# Allegro board RK3588S_Template_LP4XD200P232SD8H2_31X31_2133MHz_H1R6_V11_20220218YWQ.brd (continued)
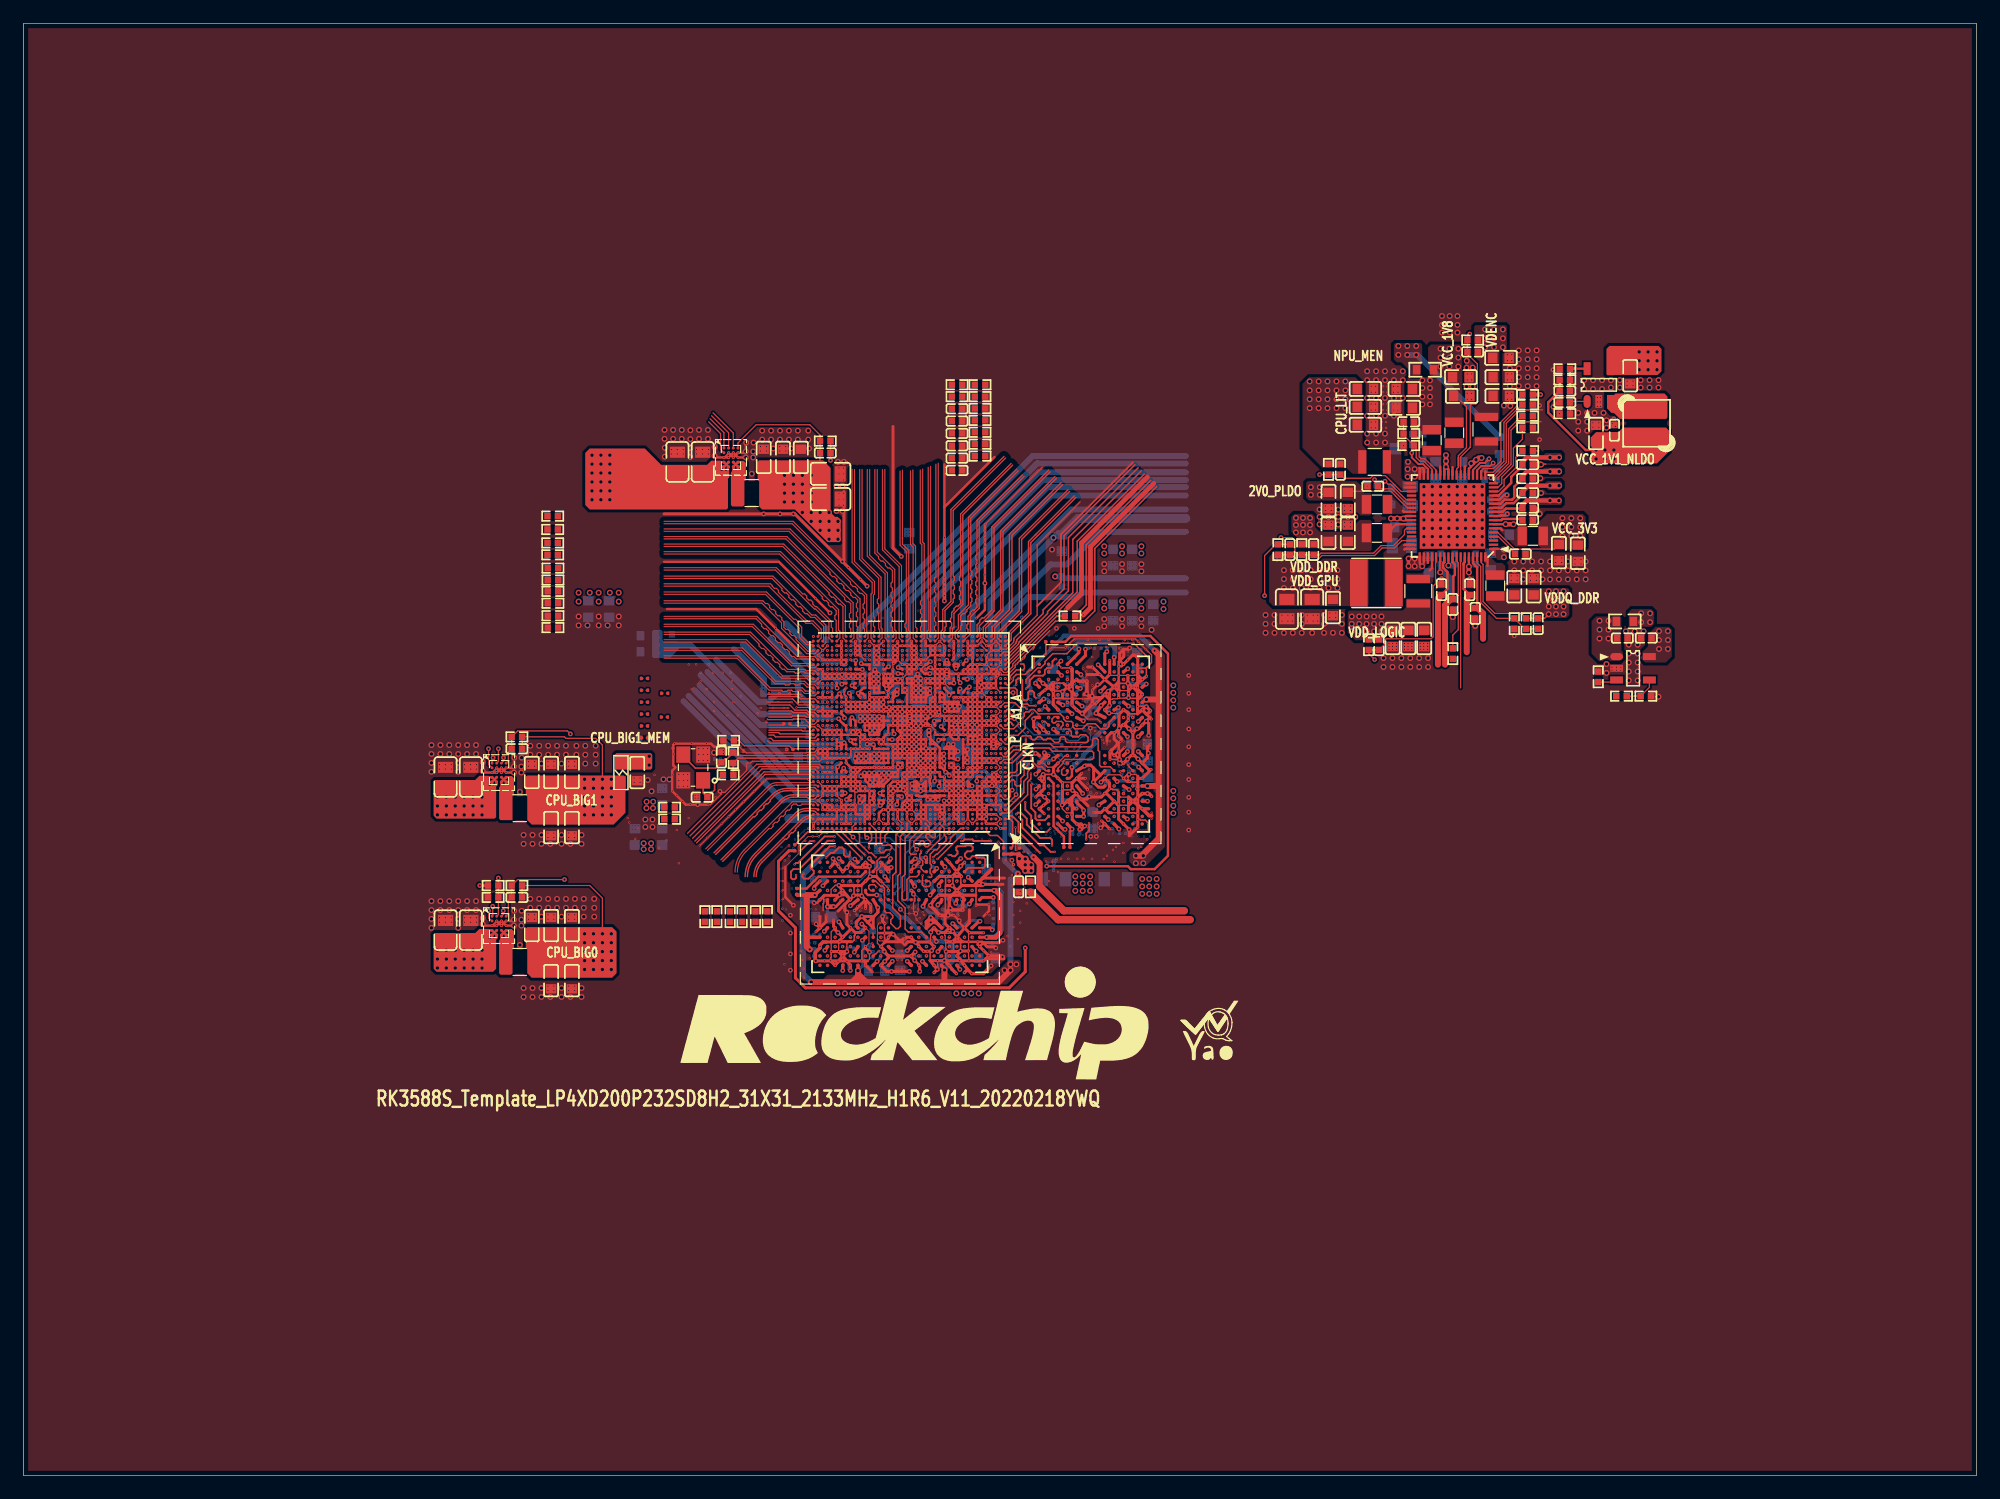
[diagram p0: board, top side]
## Routing (per net, layer and track width the routed paths; a pad name or vN(x,y) marks a point on that pad's centre or on a via; arc(x,y) is an arc through that point) (continued)
VDDA_0V85_S0: length 61.2
  TOP w0.102: U1000.AT18 U1000.AR19
  TOP w0.203: U1000.AT18 77.12,69.33 77.22,69.33 77.44,69.55 v1(77.49,69.55) ; v1(77.45,68.53) 77.44,68.51 77.11,68.51 U1000.AP18 76.99,68.5 76.69,68.8 U1000.AR19 ; U2200.10 125.61,82.35 126.39,82.35 126.67,82.63 128.03,82.63 C2263.1 ; U1000.H36 69.99,58.1 v1(70.21,58.32) 70.02,58.5 U1000.J36
  TOP w0.381: C2263.1 128.07,82.93 128.45,83.31 v5(130.43,83.31) v5(131.19,83.31)
  BOTTOM w0.305: 76.96,70.1 76.96,70.08 ; 76.96,70.08 v1(77.49,69.55) 77.29,69.55 ; 76.96,70.08 C1400.1 ; C1402.1 77.8,68.58 77.51,68.58 v1(77.45,68.53) 77.27,68.53 76.96,68.84 C1401.1 76.96,69.21 ; C1400.1 77.26,69.55 77.29,69.55 ; C1400.1 76.96,69.21 ; 77.29,69.55 76.96,69.21
  BOTTOM w0.381: v1(70.21,58.32) 70.15,58.26 C1801.1 C1800.1 68.61,58.26 68.58,58.29
  BOTTOM w0.508: 76.96,70.1 76.96,74.93 87.1,85.06 99.31,85.06 ; 57.33,67.11 66.15,58.29 66.92,58.29 68.58,58.29
VDDA_1V2_S0: length 12.1
  TOP w0.152: U2200.57 121.05,78.09 121.02,78.05 121.02,77.22 v5(121.05,77.18)
  L3-S1 w0.203: v2(70.69,68.9) 70.69,69.06 v3(70.51,69.24) 70.29,69.02 v2(70.29,68.9)
  L6-S2 w0.305: v3(70.51,69.24) v4(70.21,69.24)
  BOTTOM w0.254: v4(70.21,69.24) 70.08,69.24 69.85,69.47
  BOTTOM w0.305: 68.25,69.72 68.51,69.47 C1608.1 C1607.1 69.85,69.47
  BOTTOM w0.508: C2250.1 121.11,77.24 v5(121.05,77.18) 121.39,77.18 121.9,76.67 121.9,75.31 ; 68.25,69.72 65.16,72.82
VDDA_DDR_PLL_S0: length 45.3
  TOP w0.203: v1(78.41,64.01) 78.41,63.98 U1000.AB14 ; U1000.M16 77.89,59.38 v1(77.85,59.33) ; U2200.12 126.2,83.04 126.55,83.39 127.2,83.39 127.38,83.57 127.38,84.5 C2258.1
  TOP w0.381: C2258.1 128.07,85.41 128.45,85.79 v5(130.43,85.79) 130.5,85.79
  TOP w0.508: 130.5,85.79 v5(131.21,85.79) ; 86.82,50.34 86.82,52.32 86.32,52.83 v1(86.3,52.83)
  TOP w0.635: 99.19,48.26 88.9,48.26 86.82,50.34
  L6-S2 w0.152: 78.49,60.37 78.6,60.47 78.85,60.47 78.88,60.51
  L6-S2 w0.203: 78.49,60.37 77.95,59.83 77.95,59.44 v1(77.85,59.33) ; 78.88,60.51 79.06,60.69 79.06,61.82 78.81,62.07 78.26,62.07 77.77,62.56 77.77,63.78 78,64.01 v1(78.41,64.01)
  BOTTOM w0.254: v1(77.85,59.33) 77.9,59.38 80.16,59.38 80.24,59.46
  BOTTOM w0.279: C1215.1 78.61,64.21 v1(78.41,64.01)
  BOTTOM w0.305: v1(77.85,59.33) 77.77,59.26 C1210.1 ; 80.24,59.46 80.97,60.19 82.15,60.19 83.26,59.08
  BOTTOM w0.406: 83.26,59.08 83.26,57.71 84.35,56.62 84.35,54.78 v1(86.3,52.83)
VDDQ_DDR: length 37.7
  TOP w0.254: U3800.W1 v1(86.5,57.33) ; v1(88.79,55.93) U3800.AA3 ; U3800.AA5 v1(90.58,56.32) v1(90.58,56.84) 90.58,56.92 89.99,57.51 U3800.W5 ; U3801.W1 v1(69.68,52.72) ; U3801.AA3 v1(68.31,50.4) ; v1(69.21,48.61) 69.41,48.61 U3801.W5 ; U3801.AA5 v1(68.7,48.61) ; U3801.D1 v1(80.08,52.72) ; U3800.B3 v1(88.69,68.37) ; U3801.B3 v1(80.73,51.12) ; U3800.D1 v1(86.47,67.7)
  TOP w0.279: U3800.W8 91.9,57.34 v1(91.89,57.3) ; U3801.AA8 v1(68.43,46.5) ; U3800.AA8 v1(92.69,56.05) ; U3800.B8 v1(91.83,69.27) ; U3800.D12 v1(95.94,67.63) ; U3800.D8 v1(92.03,67.02) ; U3800.U10 v1(94.47,58.61) ; U3801.F10 v1(78.13,44.77) ; U3801.F3 78.21,50.51 v1(78.22,50.39) ; U3801.D8 v1(79.4,47.16) ; v1(90.35,68.44) U3800.B5 ; v1(80.82,48.84) U3801.B5 ; U3801.B10 81.32,44.84 v1(81.41,44.82) ; U3801.D5 v1(79.65,48.89) ; U3800.F10 v1(94.42,65.75) ; v1(90.3,67.25) 90.29,67.28 U3800.D5 ; U3801.D12 v1(80.01,43.25) ; U3801.W8 69.72,47.29 v1(69.68,47.3) ; U3801.B8 81.65,47.37 v1(81.73,47.37) ; U3801.W12 v1(70,43.15) ; U3800.B10 v1(94.35,68.94) ; U3800.AA10 v1(94.32,56.1) ; U3801.AA10 v1(68.48,44.88) ; U3801.U10 v1(70.99,44.72) ; U3800.W12 v1(96.04,57.62)
  TOP w0.305: U3800.F3 v1(88.81,65.84)
  TOP w0.406: v1(69.21,48.61) v1(68.7,48.61)
  L3-S1 w0.203: v3(88.12,59.11) 88.21,59.11 v2(88.39,58.92) ; v2(71.3,50.8) 71.46,50.96 v3(71.46,51.07)
  L6-S2 w0.254: v4(87.71,58.66) 87.71,58.77 v4(87.85,58.91) 88.04,59.11 v3(88.12,59.11) ; v4(71.04,51.48) 71.15,51.48 v4(71.29,51.35) 71.46,51.17 v3(71.46,51.07)
  BOTTOM w0.254: v1(90.35,68.44) 90.35,68.34 90.53,68.17 90.53,67.5 90.3,67.28 v1(90.3,67.25) 90.28,67.25 89.9,66.87 89.9,66.49 89.24,65.83 88.82,65.83 v1(88.81,65.84) ; v1(86.47,67.7) 86.47,67.78 86.67,67.99 ; 95.03,68.8 95.28,68.55 C3817.1 95.88,67.7 v1(95.94,67.63) ; v1(78.22,50.39) 78.21,50.38 78.21,49.95 78.87,49.3 79.25,49.3 v1(79.65,48.89) 79.88,48.66 80.55,48.66 80.72,48.84 v1(80.82,48.84) ; v1(94.42,65.75) 94.47,65.7 94.8,65.7 ; v1(79.4,47.16) 79.52,47.16 79.81,46.88 80.25,46.88 80.78,47.42 81.51,47.42 81.56,47.37 v1(81.73,47.37) ; v1(68.7,48.61) 68.7,48.09 69.13,47.67 69.39,47.67 69.68,47.39 v1(69.68,47.3)
  vias: v5(69.55,41.2) v5(70.19,41.2) v5(70.82,41.2) v5(71.46,41.2) v5(79.71,41.2) v5(80.35,41.2) v5(80.98,41.2) v5(81.62,41.2) v5(89.87,51.2) v5(89.87,50.6) v5(89.87,49.96) v5(90.51,51.2) v5(90.51,50.6) v5(90.51,49.96) v5(91.14,51.2) v5(91.14,50.6) v5(91.14,49.96) v5(98.25,67.52) v5(98.25,66.88) v5(98.25,66.25) v5(98.25,65.61) v5(98.25,58.5) v5(98.25,57.87) v5(98.25,57.23) v5(98.25,56.6)
VDDQ_DDR_CK_S0: length 12.7
  TOP w0.203: U1000.H24 74.85,58.1 74.94,58.01 v1(75.03,58.01) ; 80.69,59.29 v1(81.05,58.93) 81.02,58.9 U1000.K9 80.69,59.29 ; 80.69,59.29 U1000.L9
  BOTTOM w0.254: v1(81.05,58.93) 80.95,58.93 80.18,58.16 C1216.1 80.08,58.01 80.08,57.21 78.82,55.96 78.45,55.96 77.41,54.92 76.15,54.92 R3821.2 75.06,56.02 75.06,57.18 75.08,57.2 75.08,57.96 v1(75.03,58.01)
  BOTTOM w0.305: v1(75.03,58.01) 74.88,57.86 C1213.1
VDDQ_DDR_CKE_S3: length 14.4
  TOP w0.203: v1(81.46,59.33) 81.46,59.67 U1000.M7 U1000.M6 ; U1000.G24 74.69,57.42 v1(74.63,57.35)
  BOTTOM w0.254: v1(74.63,57.35) 74.49,57.35 C1212.1 74.37,57.18 74.37,56.06 74.97,55.46 74.97,55.06 75.46,54.57 77.56,54.57 78.6,55.6 78.97,55.6 79.52,56.15 R3820.2 80.06,56.69 80.85,57.48 81.58,57.48 81.84,57.73 81.84,58.12 C1211.1 81.48,58.47 81.48,59.31 v1(81.46,59.33)
VDDQ_DDR_S0: length 107
  TOP w0.102: v1(78.16,57.76) 78.29,57.9 U1000.H15 ; U2200.67 124.55,78.01 124.71,77.85 124.71,74.68 125.72,73.67 127.97,73.67 R2236.1 C2229.1 129.96,73.24 v5(130.32,73.6)
  TOP w0.203: 80.63,61.99 80.63,61.36 v1(80.64,61.34) ; 80.63,61.99 80.42,61.79 80.29,61.79 ; 80.63,61.99 v1(80.66,62.03) 80.62,62.08 80.34,62.08 80.32,62.1 U1000.V10 ; U1000.H20 76.44,58.1 76.5,58.04 77.03,58.04 U1000.H18 ; v1(80.64,61.34) v1(80.64,60.93) 80.63,60.93 80.6,60.91 80.52,60.91 80.51,60.9 U1000.R10 ; v1(80.64,61.34) 80.55,61.34 80.51,61.3 U1000.T10 ; U1000.H18 77.22,57.97 77.22,57.8 v1(77.27,57.76) v1(77.7,57.76) ; U1000.H18 U1000.H16 ; U1000.V10 80.29,61.79 ; U1000.V10 80.29,62.48 ; U1000.V10 80.29,62.48 ; 80.29,61.79 U1000.T10 ; v2(80.29,60.5) U1000.R10 ; U1000.R10 U1000.T10 ; 80.29,62.48 U1000.Y10 ; 80.29,62.48 U1000.W10 ; v1(77.7,57.76) 77.7,57.91 U1000.H16 ; v1(77.7,57.76) 78.1,57.76 ; U1000.H16 77.89,57.96 78.1,57.76 ; U1000.H16 U1000.H15 ; R1200.2 89.02,71.24 89.52,71.74 96.28,71.74 97.79,70.23 97.79,52.96 96.65,51.82 94.61,51.82 94.36,52.07 v1(87.43,52.07) ; 78.1,57.76 v1(78.16,57.76) 78.16,57.95 78.29,58.09 U1000.H15 ; U1000.H14 U1000.H15
  TOP w0.254: R1202.2 R1201.2 C1252.1 v5(85.09,52.71) ; v1(85.6,45.09) 85.6,43.05 84.22,41.68 66.81,41.68 65.96,42.52 65.96,46.82 64.52,48.26 64.52,52.49 65.41,53.39 R1203.2
  L2-GND1 w0.127: v1(80.64,60.93) 80.64,60.85 v2(80.29,60.5)
  L2-GND1 w0.305: v1(78.16,57.76) v1(77.7,57.76) v1(77.27,57.76) ; v1(80.64,61.34) v1(80.64,60.93)
  L3-S1 w0.254: v2(80.29,60.5) 80.64,60.5 v3(80.67,60.53)
  L3-S1 w0.305: v1(80.64,61.34) v1(80.64,60.93) 80.64,60.85 ; 80.64,60.85 80.64,60.55 v3(80.67,60.53) ; 80.64,60.85 v2(80.29,60.5) ; v1(78.16,57.76) v1(77.7,57.76) v1(77.27,57.76)
  L6-S2 w0.254: v4(80.95,60.83) 80.67,60.55 v3(80.67,60.53)
  L6-S2 w0.305: v1(77.27,57.76) v1(77.7,57.76) v1(78.16,57.76) ; v4(80.95,60.83) 80.95,61.75 v1(80.66,62.03) 80.64,62.01 v1(80.64,61.34) v1(80.64,60.93) 80.64,60.55 v3(80.67,60.53)
  L7-GND2 w0.305: v1(77.27,57.76) v1(77.7,57.76) v1(78.16,57.76) ; v1(80.64,61.34) v1(80.64,60.93) 80.75,60.83 v4(80.95,60.83)
  vias: v5(85.6,52.69) v5(85.59,52.19) v5(85.59,51.68) v5(86.1,52.19) v5(86.1,51.68) v5(130.32,75.56) v5(130.32,74.91) v5(130.32,74.26) v5(130.94,75.56) v5(130.94,74.91) v5(130.94,74.26) v5(130.94,73.6) v5(131.59,75.56) v5(131.59,74.91) v5(131.59,74.26) v5(131.59,73.6)
ALPS_INT_L: length 13.3
  TOP w0.102: U1000.N41 67.61,60.38 63.11,60.38 57.17,54.45
BIG/NPU_EN: length 19
  TOP w0.102: U2302.A2 60.25,89.1 58.8,90.55
  TOP w0.104: U2300.A2 40.58,47.93 R2303.1 R2302.2 v1(40.58,51.05) ; v1(40.58,62.1) 40.58,61.01 U2301.A2
  L6-S2 w0.102: v1(40.58,51.05) v1(40.58,62.1)
BQ_OTG_EN_H: length 17.9
  L3-S1 w0.076: v2(77.09,70.1) 77.59,70.6 77.59,71.86 77.15,72.3 77.15,72.8
  L3-S1 w0.102: 77.15,72.8 77.15,73.37 76.91,73.61 76.91,77.63 77.27,77.98 77.27,82.65 76.53,83.38 76.53,87.09
BT_REG_ON_H: length 13.5
  L3-S1 w0.076: v2(68.69,67.3) 68.69,67.27 68.35,66.93 67.15,66.93 66.84,67.23 66.76,67.23 66.22,67.78
  L3-S1 w0.102: 57.36,71.77 62.23,71.77 66.22,67.78
BT_WAKE_HOST_H: length 14
  L3-S1 w0.076: v2(69.09,65.7) 68.72,65.33 66.72,65.33 66.24,65.8
  L3-S1 w0.102: 66.24,65.8 66.16,65.88 66.1,65.88 61.64,70.35 57.36,70.35
CC_INT0_L: length 13.9
  L3-S1 w0.076: 66.21,69.23 66.7,68.74 66.7,68.73 67.22,68.2 68.9,68.2 69.31,67.79 69.31,67.61 69.09,67.39 v2(69.09,67.3)
  L3-S1 w0.102: 58.05,72.8 62.64,72.8 66.21,69.23
CHRG_OK_H: length 13
  L3-S1 w0.076: 66.21,68.66 66.97,67.9 68.49,67.9 v2(68.69,67.7)
  L3-S1 w0.102: 57.64,72.39 62.48,72.39 66.21,68.66
DDR_CH0_A0_A: length 9.4
  TOP w0.122: v2(85.66,62.97) 85.66,62.67 85.34,62.36 84.56,62.36 83.9,61.7 U1000.U1
  L3-S1 w0.064: v3(87.88,64.59) 87.75,64.73 v2(87.59,64.72) ; v3(85.38,63.09) 85.51,62.97 v2(85.66,62.97)
  L6-S2 w0.064: v3(85.38,63.09) 86.15,63.09 86.22,63.16 86.22,63.31 86.28,63.37 86.41,63.37 86.47,63.31 86.47,63.16 86.53,63.09 86.66,63.09 86.72,63.16 86.72,63.31 86.79,63.37 86.91,63.37 86.98,63.31 86.98,63.16 87.04,63.09 87.17,63.09 87.23,63.16 87.23,63.31 87.29,63.37 87.42,63.37 87.49,63.31 87.49,63.16 87.55,63.09 87.68,63.09 87.74,63.16 87.74,63.31 87.8,63.37 87.93,63.37 87.99,63.31 87.99,63.16 88.06,63.09 88.29,63.09 88.35,63.16 88.35,63.92 87.88,64.39 v3(87.88,64.59)
DDR_CH0_A0_B: length 9.4
  TOP w0.102: U1000.U2 83.78,61.41
  TOP w0.122: v2(86.11,61.56) 86.11,61.12 86.66,60.56 87.01,60.56 87.35,60.22 U3800.R2 ; 83.78,61.41 84.02,61.41 84.62,62.01 v2(85.08,62.01)
  L3-S1 w0.064: v2(85.08,62.01) 85.15,61.95 v3(85.4,61.95) ; v2(86.11,61.56) 86.11,61.4 v3(86.23,61.27)
  L6-S2 w0.064: v3(86.23,61.27) 86.04,61.27 85.76,60.99 85.45,60.99 85.22,61.22 85.22,61.34 84.96,61.59 84.01,61.59 83.95,61.66 83.95,61.88 84.01,61.95 v3(85.4,61.95)
DDR_CH0_A1_A: length 8.9
  TOP w0.102: 83.78,63.81 U1000.AC2
  TOP w0.122: v2(85.09,64.26) 85.06,64.26 84.61,63.81 83.78,63.81 ; v2(87.05,64.44) 87.05,64.44 87.28,64.44 U3800.J2
  L3-S1 w0.064: v2(87.05,64.44) 86.87,64.62 v3(86.82,64.62) ; v2(85.09,64.26) 85.29,64.26 85.36,64.33 v3(85.39,64.33)
  L6-S2 w0.064: v3(85.39,64.33) 85.36,64.33 85.29,64.26 84.52,64.26 84.45,64.2 84.45,63.88 84.84,63.5 85.03,63.5 85.09,63.56 85.09,63.82 85.15,63.88 85.28,63.88 85.35,63.82 85.35,63.56 85.41,63.5 85.54,63.5 85.6,63.56 85.6,63.82 85.66,63.88 85.79,63.88 85.85,63.82 85.85,63.56 85.92,63.5 86.04,63.5 86.11,63.56 86.11,63.87 86.82,64.58 v3(86.82,64.62)
DDR_CH0_A1_B: length 12.2
  TOP w0.102: U1000.R2 83.78,61.19
  TOP w0.122: v2(84.84,61.72) 84.3,61.19 83.78,61.19
  L3-S1 w0.064: v2(84.84,61.72) 85.09,61.72 85.18,61.64 85.55,61.64 85.64,61.73 85.83,61.73 85.89,61.66 85.89,61.47 85.9,61.46 85.9,61.14 86.07,60.96 86.8,60.96 86.82,60.94 86.82,60.94 86.88,60.88 87.22,60.88 87.37,61.04 87.37,61.13 87.26,61.24 87.26,61.36 87.33,61.43 87.42,61.43 87.53,61.32 87.62,61.32 87.71,61.41 87.71,61.5 87.6,61.61 87.6,61.7 87.71,61.8 87.83,61.8 87.89,61.74 87.89,61.65 87.95,61.59 88.08,61.59 88.14,61.65 88.14,61.72 88.02,61.84 88.02,61.93 88.09,62 88.85,62 88.86,62 89.17,62 89.26,61.92 89.26,61.57 89.2,61.51 89.11,61.51 89.05,61.58 89.05,61.66 88.98,61.72 88.88,61.72 88.81,61.66 88.81,61.62 88.75,61.55 88.62,61.55 88.56,61.62 88.56,61.66 88.5,61.72 88.4,61.72 88.34,61.66 88.34,61.34 88.4,61.28 88.54,61.28 88.6,61.21 88.6,61.1 88.54,61.03 88.27,61.03 88.14,60.9 v2(87.57,60.9)
DDR_CH0_A2_A: length 12.7
  TOP w0.122: U1000.AF1 84.05,65.46 84.16,65.46 84.26,65.36 84.26,65.13 84.37,65.02 84.52,65.02 84.63,65.13 84.63,65.28 84.76,65.4 84.96,65.4 85.14,65.23 85.14,64.85 85.22,64.76 85.4,64.76 85.52,64.89 85.52,65.13 85.64,65.25 85.92,65.25 86.12,65.45 86.32,65.45 86.69,65.09 88.58,65.09 88.88,64.79 88.88,64.65 89.09,64.44 89.54,64.44 89.66,64.32 89.66,63.98 89.83,63.81 90.48,63.81 90.91,64.24 91.59,64.24 92.02,63.81 92.55,63.81 92.75,64.01 92.75,64.33 U3800.H9
DDR_CH0_A2_B: length 13
  TOP w0.122: U3800.R9 92.85,60.56 92.07,60.56 91.95,60.68 91.95,61.85 91.83,61.97 91.83,62.87 91.7,62.99 91.46,62.99 91.34,62.87 91.34,62.39 91.22,62.27 88,62.27 87.72,62.55 86.15,62.55 84.49,60.9 U1000.R1
DDR_CH0_A3_A: length 12.6
  TOP w0.122: U1000.AL2 84.72,67.3 84.9,67.12 84.9,66.36 85.34,65.91 85.8,65.91 85.92,65.79 86.49,65.79 v2(86.49,65.79)
  L3-S1 w0.064: v2(94,64.77) 93.62,65.15 93.32,65.15 93,65.47 91.88,65.47 91.73,65.63 91.12,65.63 90.62,66.13 90.37,66.13 90.28,66.03 89.48,66.03 88.94,65.49 87.59,65.49 87.5,65.41 87.17,65.41 86.92,65.66 86.61,65.66 v2(86.49,65.79)
DDR_CH0_A3_B: length 13.3
  TOP w0.122: U3800.R10 93.81,60.22 v2(93.73,60.14) ; U1000.D2 83.6,56.61 84.25,56.61 85.8,58.17 85.8,59.26 86.08,59.54 v2(86.08,59.99)
  L3-S1 w0.064: v2(93.73,60.14) 93.67,60.08 93.36,60.08 93.06,59.78 88.65,59.78 88.19,60.24 86.37,60.24 86.12,59.99 v2(86.08,59.99)
DDR_CH0_A4_A: length 13.1
  TOP w0.122: U1000.Y1 83.9,62.9 84.24,63.25 84.96,63.25 85.6,63.88 85.6,64.52 86.23,65.14 v2(86.23,65.19)
  L3-S1 w0.064: v2(94.77,64.79) 94.44,64.46 93.84,64.46 93.49,64.8 91.28,64.8 90.64,65.44 90.14,65.44 89.92,65.66 89.41,65.66 89.03,65.28 87.68,65.28 87.59,65.19 v2(86.23,65.19)
DDR_CH0_A4_B: length 14.1
  TOP w0.122: v2(86.36,60.5) 86.16,60.5 85.8,60.15 85.8,59.64 85.47,59.31 85.47,58.37 84,56.9 U1000.E1 ; v2(94.36,60.71) 94.49,60.58 94.49,60.53 U3800.R11
  L3-S1 w0.064: v2(94.36,60.71) 94.22,60.84 93.78,60.84 92.95,60.01 88.73,60.01 88.28,60.45 86.41,60.45 v2(86.36,60.5)
DDR_CH0_A5_A: length 12.8
  TOP w0.102: U1000.AG2 83.83,66.04
  TOP w0.122: v2(85.72,65.49) 85.56,65.66 85.09,65.66 84.71,66.04 83.83,66.04
  L3-S1 w0.064: v2(94.79,64.12) 94.68,64.24 93.75,64.24 93.4,64.59 90.99,64.59 90.78,64.79 90.34,64.79 89.71,65.42 89.48,65.42 89.12,65.06 87.84,65.06 87.76,64.98 85.92,64.98 85.85,65.04 85.85,65.37 v2(85.72,65.49)
DDR_CH0_A5_B: length 13.3
  TOP w0.122: U1000.L1 83.94,59.3 84.45,59.82 84.96,59.82 85.22,60.07 85.22,60.51 v2(85.57,60.86)
  L3-S1 w0.064: v2(94.74,60.87) 94.74,60.85 94.61,60.72 94.61,60.63 93.84,59.86 93.45,59.86 93.15,59.56 86.42,59.56 86.21,59.77 85.99,59.77 85.52,60.25 85.52,60.8 v2(85.57,60.86)
DDR_CH0_CLKN_A: length 14.1
  L3-S1 w0.069: v2(83.89,63.3) 83.99,63.4 84.91,63.4 84.92,63.41 84.92,63.41 85.05,63.54 85.05,63.54 85.06,63.55 85.77,63.55 v2(85.81,63.51) 85.82,63.5 85.88,63.5 86.31,63.07 86.54,63.07 86.64,62.96 86.84,62.96 86.94,63.07 88.7,63.07 88.77,62.99 89.41,62.99 89.51,63.1 89.81,63.1 89.92,62.99 90.6,62.99 90.68,63.07 91.09,63.07 91.16,63 91.16,62.53 91.33,62.36 91.81,62.36 91.87,62.29 91.87,62.14 91.78,62.05 91.78,61.76 92,61.53 92.77,61.53 93.2,61.96 93.2,62.47 93.34,62.62 93.34,63.02 93.12,63.25 92.97,63.25 92.91,63.31 92.91,64.06 92.98,64.12 v2(93.19,64.12)
DDR_CH0_CLKN_B: length 10.7
  L3-S1 w0.069: v2(83.89,62.1) 83.81,62.18 83.81,62.27 83.96,62.42 84.07,62.42 84.13,62.36 84.46,62.36 84.51,62.42 89.89,62.42 91.82,60.49 92.66,60.49 92.84,60.66 92.84,60.76 92.94,60.87 93.14,60.87 v2(93.14,60.87)
DDR_CH0_CLKP_A: length 14.3
  L3-S1 w0.069: v2(92.39,64.12) 92.67,64.12 92.74,64.06 92.74,63.23 92.9,63.08 93.05,63.08 93.17,62.95 93.17,62.69 93.02,62.54 93.02,62.04 92.7,61.71 92.07,61.71 91.95,61.83 91.95,61.98 92.04,62.07 92.04,62.37 91.88,62.53 91.4,62.53 91.33,62.6 91.33,63.07 91.16,63.24 90.61,63.24 90.53,63.16 89.99,63.16 89.88,63.27 89.44,63.27 89.34,63.16 88.84,63.16 88.77,63.24 86.87,63.24 86.87,63.24 86.38,63.24 85.9,63.73 84.94,63.73 v2(84.84,63.63) 84.78,63.57 83.86,63.57 83.59,63.3 v2(83.49,63.3)
DDR_CH0_CLKP_B: length 10.6
  L3-S1 w0.069: v2(92.44,60.87) 92.57,60.87 92.64,60.8 92.64,60.71 92.59,60.66 91.89,60.66 89.96,62.59 84.44,62.59 84.38,62.53 84.2,62.53 84.15,62.59 83.88,62.59 83.64,62.34 83.64,62.22 v2(83.51,62.1)
DDR_CH0_DM0_A: length 12.5
  L3-S1 w0.079: v2(88.39,68.08) 88.41,68.05 88.79,68.05 89.31,67.53 90.13,67.53 90.25,67.66 90.37,67.66 90.68,67.35 90.68,67.1 90.4,66.82 89.43,66.82 89.03,67.23 89.03,67.32 88.63,67.72 87.99,67.72 87.77,67.5 87.57,67.5 87.51,67.44 87.51,67.26 87.43,67.19 87.25,67.19 87.08,67.36 86.67,67.36 86.29,66.98 86.29,66.42 85.22,65.35 85.22,64.98 85.07,64.83 84.96,64.83 84.8,64.99 84.53,64.99 84.38,64.83 84.27,64.83 84.11,64.99 83.98,64.99 v2(83.89,64.9)
DDR_CH0_DM0_B: length 12
  L3-S1 w0.079: v2(88.44,56.96) 88.44,56.82 88.19,56.57 87.57,56.57 86.99,57.15 v3(86.99,57.28) ; v2(82.29,62.1) v3(82.6,62.1)
  L6-S2 w0.079: v3(86.99,57.28) 86.72,57 84.77,57 83.35,58.42 82.79,58.42 82.34,58.87 82.34,60.82 82.26,60.89 81.98,60.89 81.78,61.1 81.78,61.46 82.42,62.1 v3(82.6,62.1)
DDR_CH0_DM1_A: length 15
  L3-S1 w0.079: v2(82.69,66.9) 83.02,67.22 83.13,67.22 83.34,67.44 84.02,67.44 85.24,68.65 85.24,68.98 87.53,71.28 90.9,71.28 91.31,70.87 v3(91.69,70.87) ; v2(94.02,68.05) v3(93.73,68.34)
  L6-S2 w0.079: v3(91.69,70.87) 91.82,70.74 91.82,70.13 93.61,68.34 v3(93.73,68.34)
DDR_CH0_DM1_B: length 14.6
  TOP w0.152: v2(87.88,53.84) 87.88,54.33 87.73,54.48 86.87,54.48 85.72,55.63 85.72,56.13 85.22,56.64 84.96,56.64 84.84,56.52 v2(84.84,56.5)
  L3-S1 w0.079: v2(87.88,53.84) 91.75,53.84 93.71,55.8 93.71,56.69 v2(93.99,56.97) ; v2(83.49,57.7) 83.68,57.7 84.84,56.54 v2(84.84,56.5)
DDR_CH0_DQ0_A: length 6.6
  L3-S1 w0.079: v2(83.49,66.5) 83.56,66.56 v3(83.56,66.93) ; v3(86.82,68.1) 87.39,68.67 v2(87.56,68.67)
  L6-S2 w0.079: v3(83.56,66.93) 83.56,67.43 83.82,67.69 84.33,67.69 84.41,67.61 84.41,67.39 84.49,67.31 84.65,67.31 84.73,67.39 84.73,67.61 84.8,67.69 85.33,67.69 85.65,68.02 85.74,68.02 85.82,67.94 85.82,67.71 85.9,67.63 86.06,67.63 86.13,67.71 86.13,67.92 86.32,68.1 86.7,68.1 86.7,68.1 v3(86.82,68.1)
DDR_CH0_DQ0_B: length 11.4
  TOP w0.145: 86.62,56 86.93,56
  TOP w0.152: 86.62,56 86.46,56.15 86.46,56.66 86.11,57.02 86.11,59.03 v2(86.15,59.07) ; U3800.AA2 87.27,56 86.93,56
  L3-S1 w0.079: v3(85.27,59.8) 85.15,59.92 85.15,60.64 84.38,61.42 83.36,61.42 v2(83.07,61.7) ; v3(85.86,58.99) 86.06,58.99 v2(86.15,59.07)
  L6-S2 w0.079: v3(85.27,59.8) 85.27,59.54 85.2,59.46 84.95,59.46 84.87,59.38 84.87,59 84.97,58.9 85.08,58.9 85.17,58.99 85.28,58.99 85.39,58.88 85.39,58.77 85.3,58.68 85.3,58.57 85.47,58.4 85.73,58.4 85.94,58.62 85.94,58.9 v3(85.86,58.99)
DDR_CH0_DQ1_A: length 12.3
  L3-S1 w0.079: v2(87.57,68.05) 87.57,68.14 v3(88.01,68.58) ; v3(83.49,64.43) 83.43,64.43 82.7,63.7 v2(82.69,63.7)
  L6-S2 w0.079: v3(83.49,64.43) v4(83.49,64.77) 83.49,64.89 83.88,65.28 84.58,65.28 85.18,64.68 85.68,64.68 86.07,65.07 87.3,65.07 87.63,65.41 88.92,65.41 89.32,65.8 89.32,66.77 89.15,66.93 89.15,67.43 88.01,68.57 v3(88.01,68.58)
DDR_CH0_DQ1_B: length 14.1
  L3-S1 w0.079: v2(82.29,63.3) 82.07,63.08 81.75,63.08 81.66,62.99 81.66,62.87 81.54,62.74 81.54,62.63 81.64,62.53 81.73,62.53 81.93,62.73 82.03,62.73 82.09,62.66 82.09,62.56 81.88,62.35 81.88,62.25 81.95,62.18 82.06,62.18 82.36,62.47 82.47,62.47 82.55,62.55 82.55,62.88 82.76,63.09 83.03,63.09 83.22,62.9 83.22,62.41 83.01,62.19 83.01,62.08 83.46,61.62 84.47,61.62 84.63,61.47 84.87,61.47 84.96,61.38 84.96,61.22 85.1,61.08 85.27,61.08 85.35,61 85.35,60.17 85.92,59.6 86.07,59.6 86.46,59.21 86.46,59.05 86.18,58.76 86.18,58.41 86.66,57.93 86.84,57.93 87.12,57.65 87.54,57.65 87.62,57.57 87.62,57.43 87.39,57.21 87.39,57.09 87.51,56.97 v2(87.59,56.97)
DDR_CH0_DQ2_A: length 8.9
  TOP w0.152: v2(86.53,66.42) 86.51,66.42 86.36,66.57 86.36,66.89 86.19,67.06 85.98,67.06 85.85,66.93 85.85,66.36 85.72,66.24 85.5,66.24 85.34,66.39 85.34,67.96 85.19,68.11 84.98,68.11 84.82,67.96 v2(84.82,67.57)
  L3-S1 w0.064: v2(84.82,67.57) 84.82,67.5 84.76,67.44 84.59,67.44 84.53,67.37 84.53,67.28 84.6,67.21 84.81,67.21 84.87,67.14 84.87,66.77 84.52,66.42 84.4,66.42 84.35,66.48 84.18,66.48 84.12,66.42 83.97,66.42 v2(83.89,66.5)
  L3-S1 w0.079: v2(86.53,66.42) 86.6,66.35 86.71,66.35 87.04,66.68 87.13,66.68 87.18,66.74 87.18,66.85 87.26,66.93 87.4,66.93 87.48,66.85 87.48,66.8 v2(87.55,66.72)
DDR_CH0_DQ2_B: length 9.7
  L3-S1 w0.079: v2(87.57,58.27) 87.55,58.29 86.87,58.29 v3(86.83,58.26) ; v2(83.89,60.1) 83.98,60.19 v3(84.18,60.19)
  L6-S2 w0.079: v3(86.83,58.26) 86.74,58.17 86.21,58.17 85.98,57.93 85.98,57.47 85.79,57.28 84.84,57.28 83.48,58.63 83.48,58.74 83.56,58.82 83.85,58.82 83.93,58.9 83.93,59.06 83.85,59.14 83.52,59.14 83.44,59.22 83.44,59.34 83.52,59.42 84.01,59.42 84.09,59.5 84.09,59.66 84.01,59.74 83.52,59.74 83.44,59.82 83.44,59.99 83.52,60.07 84.06,60.07 v3(84.18,60.19)
DDR_CH0_DQ3_A: length 10.6
  L3-S1 w0.079: v2(83.09,63.7) 83.44,64.05 84.17,64.05 84.47,64.35 84.87,64.35 v3(85.54,65.02) ; v3(86.83,65.99) 86.89,65.99 86.94,66.04 87.56,66.04 v2(87.59,66.07)
  L6-S2 w0.079: v3(86.83,65.99) 86.49,66.34 86.49,67.04 86.41,67.12 86.31,67.12 86.23,67.04 86.23,66.63 86.15,66.55 85.99,66.55 85.91,66.63 85.91,67.04 85.84,67.12 85.42,67.12 85.34,67.04 85.34,66.53 85.27,66.45 85.04,66.45 84.96,66.37 84.96,66.21 85.04,66.13 85.27,66.13 85.34,66.05 85.34,65.9 85.27,65.82 84.91,65.82 84.84,65.74 84.84,65.58 84.91,65.5 85.27,65.5 85.34,65.42 85.34,65.22 v3(85.54,65.02)
DDR_CH0_DQ3_B: length 12.7
  L3-S1 w0.079: v3(87.25,58.67) 87.5,58.92 v2(87.59,58.92) ; v2(82.29,61.7) 82.64,61.35 v3(82.64,61.3)
  L6-S2 w0.079: v3(82.64,61.3) 82.64,60.49 82.72,60.41 83.82,60.41 83.95,60.53 84.79,60.53 85.02,60.3 85.02,60.02 84.94,59.95 84.94,59.94 84.62,59.62 84.62,58.89 85.37,58.14 85.83,58.14 86.2,58.51 86.2,58.8 86.2,58.8 86.2,59.48 86.32,59.59 86.43,59.59 86.51,59.52 86.51,59.44 86.59,59.36 86.75,59.36 86.82,59.44 86.82,59.52 86.9,59.59 87.06,59.59 87.14,59.52 87.14,59.44 87.22,59.36 87.42,59.36 87.5,59.44 87.5,59.68 87.58,59.75 87.69,59.75 87.84,59.61 87.84,59.39 87.5,59.05 87.33,59.05 87.25,58.98 v3(87.25,58.67)
DDR_CH0_DQ4_A: length 12
  L3-S1 w0.079: v3(82.42,64.01) 82.42,63.83 v2(82.29,63.7) ; v3(89.66,66.4) 89.49,66.4 89.19,66.1 v2(89.19,66.07)
  L6-S2 w0.079: v3(89.66,66.4) 89.66,65.79 88.89,65.01 88.89,64 88.65,63.75 88.65,62.99 88.39,62.74 85.72,62.74 85.34,62.36 84.84,62.36 83.44,63.75 82.68,63.75 82.42,64.01 v3(82.42,64.01)
DDR_CH0_DQ4_B: length 11.6
  L3-S1 w0.079: v2(82.69,60.5) 83.09,60.9 83.09,60.9 v3(83.12,60.92) ; v2(89.19,58.92) 89.43,58.92 v3(89.53,59.03)
  L6-S2 w0.079: v3(83.12,60.92) 83.12,61.26 83.2,61.34 84.71,61.34 85.31,60.74 86.36,60.74 86.52,60.58 88.39,60.58 88.55,60.74 88.74,60.74 88.84,60.63 88.84,60.52 88.69,60.37 88.69,60.26 89.01,59.95 89.12,59.95 89.36,60.19 89.47,60.19 89.58,60.08 89.58,59.97 89.34,59.72 89.34,59.61 89.45,59.5 89.56,59.5 89.74,59.68 89.85,59.68 89.96,59.57 89.96,58.95 89.88,58.87 89.69,58.87 v3(89.53,59.03)
DDR_CH0_DQ5_A: length 10.4
  L3-S1 w0.079: v3(82.36,64.58) 82.29,64.65 v2(82.29,64.88) ; v2(89.19,66.72) v3(88.97,66.51)
  L6-S2 w0.079: v3(82.36,64.58) 82.36,64.92 82.77,65.33 83.56,65.33 85.09,66.86 85.09,67.3 85.17,67.38 86.97,67.38 87.19,67.16 87.19,66.82 87.54,66.48 87.54,65.98 87.85,65.66 88.13,65.66 v3(88.97,66.51)
DDR_CH0_DQ5_B: length 11.4
  L3-S1 w0.079: v3(89.45,58.06) v2(89.24,58.27) ; v2(83.09,60.5) 83.23,60.36 83.85,60.36 84.14,60.65 v3(84.14,60.88)
  L6-S2 w0.079: v3(84.14,60.88) 84.35,61.08 84.6,61.08 85.35,60.33 85.35,60.2 85.64,59.92 86.02,59.92 86.43,60.33 88.26,60.33 88.53,60.06 88.53,59.95 88.26,59.68 88.26,59.57 88.46,59.36 88.57,59.36 88.84,59.63 88.96,59.63 89.17,59.42 89.17,59.19 89.09,59.11 88.72,59.11 88.65,59.03 88.65,58.88 88.72,58.8 89.16,58.8 89.26,58.69 89.26,58.51 89.17,58.42 89.17,58.14 89.25,58.06 v3(89.45,58.06)
DDR_CH0_DQ6_A: length 11.8
  L3-S1 w0.079: v2(89.19,68.02) 89.43,67.79 90.02,67.79 90.23,68 90.23,68.11 90.03,68.31 90.03,68.44 89.96,68.52 89.45,68.52 89.28,68.35 89.17,68.35 88.92,68.6 88.92,68.75 88.84,68.83 88.65,68.83 88.52,68.71 88.39,68.71 88.14,68.96 87.19,68.96 86.99,68.76 86.99,68.65 86.8,68.45 86.69,68.45 86.11,67.87 86.11,66.51 84.77,65.17 83.38,65.17 83.3,65.09 83.3,64.98 83.37,64.9 v2(83.49,64.9)
DDR_CH0_DQ6_B: length 15.5
  L3-S1 w0.079: v2(82.69,61.7) 82.76,61.7 83.24,61.22 84.25,61.22 85,60.47 85,59.98 84.86,59.84 84.86,59.73 85.37,59.21 85.37,59.02 85.95,58.45 85.95,58.31 86.02,58.24 86.02,57.36 86.39,56.98 86.88,56.98 87.54,56.32 88.3,56.32 88.68,56.69 88.79,56.69 88.9,56.58 89.37,56.58 89.8,57.01 90.04,57.01 90.19,57.16 90.79,57.16 91.05,57.41 91.05,57.53 90.91,57.66 90.68,57.66 90.55,57.53 89.92,57.53 89.73,57.72 89.23,57.72 89.1,57.59 89.1,57.05 v2(89.21,56.93)
DDR_CH0_DQ7_A: length 12
  L3-S1 w0.079: v2(89.22,68.7) 89.3,68.78 89.85,68.78 89.93,68.86 89.93,68.95 89.85,69.02 89.85,69.14 89.93,69.22 89.93,69.33 89.79,69.47 89.66,69.47 89.59,69.4 89.35,69.4 89.28,69.47 88.98,69.47 88.61,69.09 88.38,69.09 88.29,69.17 88.29,69.42 88.22,69.5 88.06,69.5 87.98,69.42 87.98,69.3 87.9,69.22 87.09,69.22 87.04,69.17 86.87,69.17 86.71,69 86.71,68.84 86.56,68.69 86.39,68.69 86.25,68.55 86.25,68.38 85.89,68.02 85.89,66.56 84.68,65.35 83.71,65.35 83.63,65.43 83.63,65.55 83.55,65.62 83.39,65.62 83.31,65.55 83.31,65.38 83.24,65.3 v2(83.09,65.3)